# Allegro board buddy_lay_rev1.brd (continued)
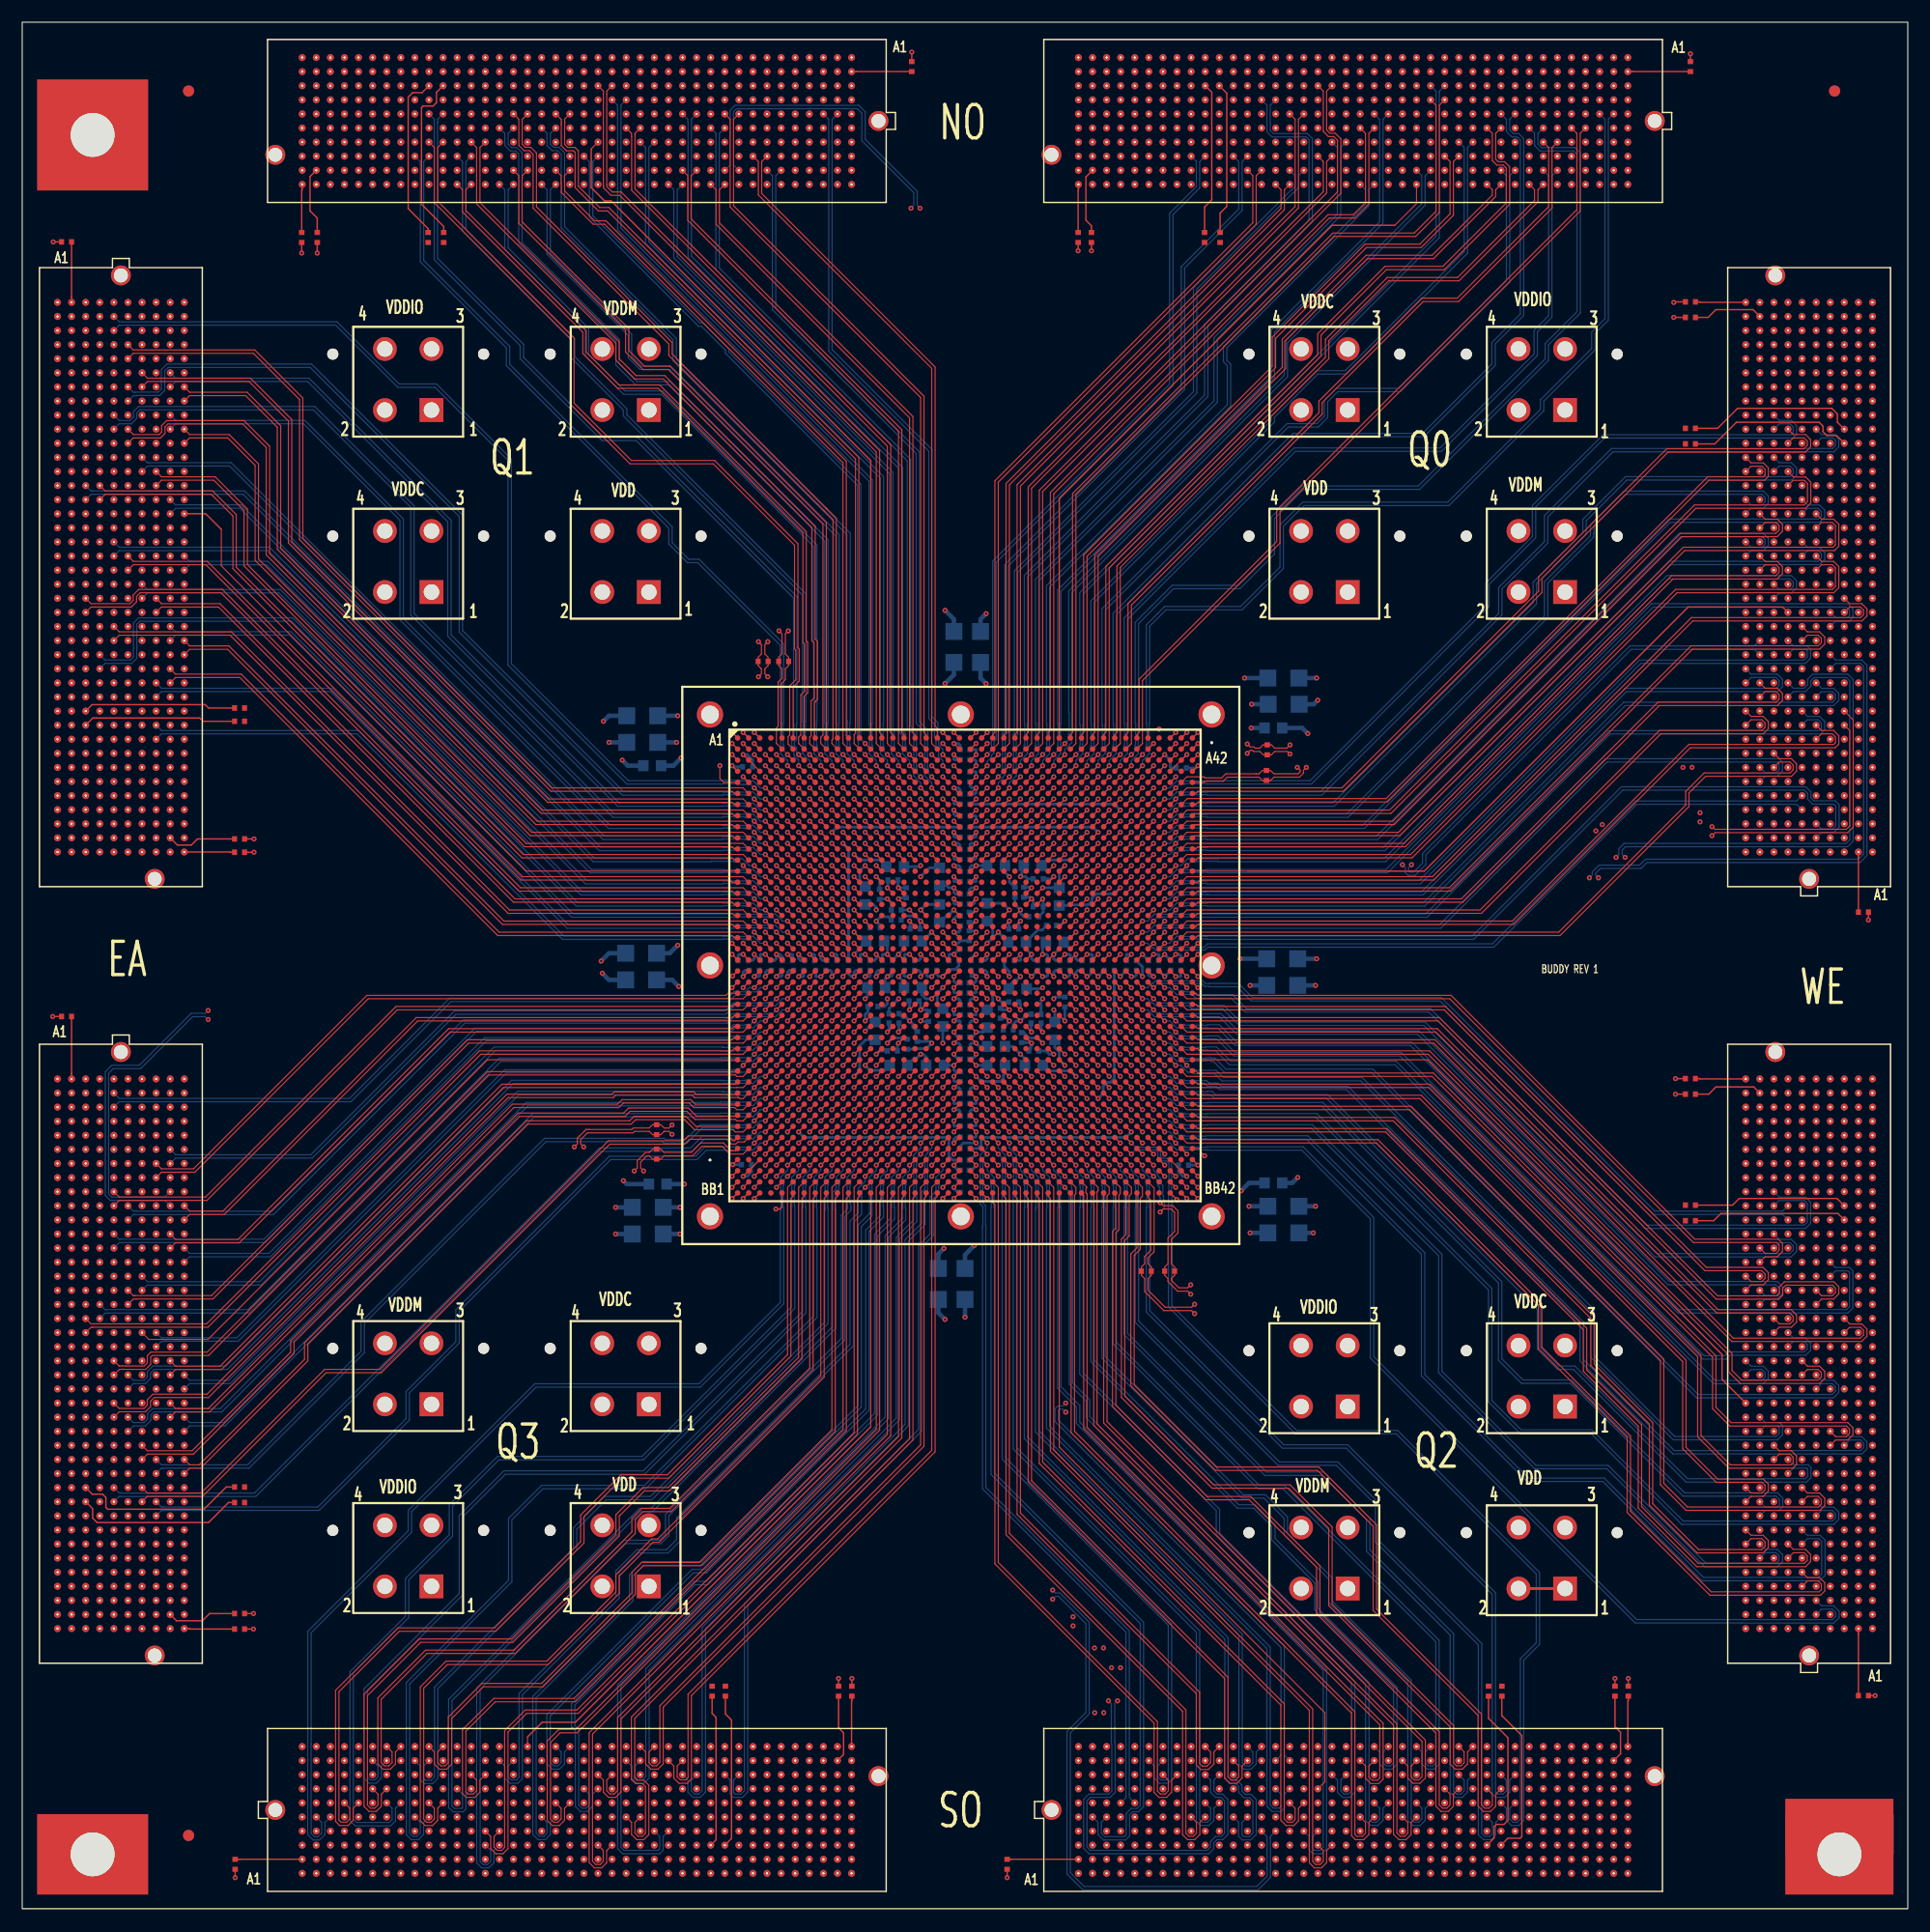
[diagram p0: board, top side]
## Routing (per net, layer and track width the routed paths; a pad name or vN(x,y) marks a point on that pad's centre or on a via; arc(x,y) is an arc through that point) (continued)
; J3.K36 154.91,139.68 ; J3.K36 155.38,139.2 ; J14.1 140.34,135.05 ; J14.1 139.1,136.29 ; J14.1 139.1,133.81 ; J14.1 137.86,135.05 ; J8.D13 7,129.99 ; J8.D13 6.52,129.52 ; J8.D13 7.47,129.52 ; J8.D13 7,129.04 ; J5.B18 117.29,4.46 ; J5.B18 116.82,3.98 ; J5.B18 116.82,4.93 ; J5.B18 116.34,4.46 ; 35.66,29.05 J19.1 ; J19.1 36.9,27.81 ; J19.1 36.9,30.29 ; J19.1 38.14,29.05 ; J4.A29 167.29,60.8 ; J4.A29 166.81,60.33 ; J4.A29 166.81,61.28 ; J4.A29 166.34,60.8 ; J4.B19 165.54,48.58 ; J4.B19 166.02,48.1 ; J4.B19 165.07,48.1 ; J4.B19 165.54,47.63 ; 55.25,163 J1.D16 ; J1.D16 55.72,163.48 ; J1.D16 55.72,162.53 ; J1.D16 56.2,163 ; 125.71,5.25 125.71,5.72 ; 125.71,5.72 126.18,5.72 ; 125.71,5.72 125.71,6.2 ; 125.71,5.72 125.23,5.72 ; 5.25,49.37 5.72,49.37 ; 5.72,49.37 5.72,48.9 ; 5.72,49.37 5.72,49.85 ; 5.72,49.37 6.2,49.37 ; 69.22,14.62 69.69,14.62 ; 69.69,14.62 69.69,14.14 ; 69.69,14.62 69.69,15.09 ; 69.69,14.62 70.17,14.62 ; 163.8,130.79 J3.C29 ; J3.C29 164.28,130.31 ; J3.C29 164.28,131.26 ; J3.C29 164.75,130.79 ; J2.J32 105.86,156.66 ; J2.J32 105.39,156.18 ; J2.J32 105.39,157.13 ; J2.J32 104.91,156.66 ; 144.28,3.19 J5.A40 ; J5.A40 144.76,3.66 ; J5.A40 144.76,2.71 ; J5.A40 145.23,3.19 ; J2.B38 97.77,166.02 ; J2.B38 97.77,165.07 ; J2.B38 97.29,165.54 ; J2.B38 98.24,165.54 ; 10.8,57.79 J7.G14 ; J7.G14 10.8,58.74 ; J7.G14 10.33,58.26 ; J7.G14 11.28,58.26 ; J8.B7 4.93,137.14 ; J8.B7 4.46,136.66 ; J8.B7 4.46,137.61 ; J8.B7 3.98,137.14 ; 3.98,32.86 4.46,32.86 ; 4.46,32.86 4.46,33.34 ; 4.46,32.86 4.93,32.86 ; 4.46,32.86 4.46,32.39 ; 157.93,112.53 J3.H15 ; J3.H15 157.45,113.01 ; J3.H15 157.93,113.48 ; J3.H15 158.4,113.01 ; 3.98,96.5 4.46,96.5 ; 4.46,96.5 4.93,96.5 ; 4.46,96.5 4.46,96.02 ; 4.46,96.5 4.46,96.97 ; 106.66,165.07 J2.B31 ; J2.B31 106.18,165.54 ; J2.B31 107.13,165.54 ; J2.B31 106.66,166.02 ; 109.2,163.8 J2.C29 ; J2.C29 109.67,164.28 ; J2.C29 109.2,164.75 ; J2.C29 108.72,164.28 ; 119.36,159.99 J2.F21 ; J2.F21 119.83,160.47 ; J2.F21 119.36,160.94 ; J2.F21 118.88,160.47 ; J7.E26 8.27,43.5 ; J7.E26 7.79,43.02 ; J7.E26 8.27,42.55 ; J7.E26 8.74,43.02 ; 100.31,10.8 100.78,10.8 ; 100.31,10.8 99.83,10.8 ; 100.31,10.8 100.31,10.33 ; 100.31,10.8 100.31,11.28 ; 11.6,45.56 J7.H24 ; J7.H24 12.55,45.56 ; J7.H24 12.07,46.04 ; J7.H24 12.07,45.09 ; J8.K9 14.62,135.07 ; J8.K9 14.14,134.6 ; J8.K9 15.09,134.6 ; J8.K9 14.62,134.12 ; 155.38,131.58 J3.K30 ; J3.K30 154.91,132.06 ; J3.K30 155.86,132.06 ; J3.K30 155.38,132.53 ; J3.D37 163.48,140.95 ; J3.D37 162.53,140.95 ; J3.D37 163,140.47 ; J3.D37 163,141.42 ; J8.K3 15.09,142.22 ; J8.K3 14.62,141.74 ; J8.K3 14.62,142.69 ; J8.K3 14.14,142.22 ; 157.93,135.39 J3.H33 ; J3.H33 158.4,135.87 ; J3.H33 157.45,135.87 ; J3.H33 157.93,136.34 ; 123.96,159.19 J2.G17 ; J2.G17 124.44,158.72 ; J2.G17 124.44,159.67 ; J2.G17 124.91,159.19 ; J1.B39 26.99,165.54 ; J1.B39 26.51,165.07 ; J1.B39 26.04,165.54 ; J1.B39 26.51,166.02 ; J23.2 116.54,28.85 ; J23.2 115.3,27.61 ; J23.2 114.06,28.85 ; J23.2 115.3,30.09 ; J1.C29 39.69,164.28 ; J1.C29 39.21,163.8 ; J1.C29 38.74,164.28 ; J1.C29 39.21,164.75 ; 161.74,68.42 162.21,68.42 ; 161.74,68.42 161.74,67.95 ; 161.74,68.42 161.26,68.42 ; 161.74,68.42 161.74,68.9 ; J3.A1 166.81,95.7 ; J3.A1 166.81,94.75 ; J3.A1 167.29,95.23 ; J3.A1 166.34,95.23 ; 5.72,69.69 5.72,70.17 ; 5.72,69.69 5.25,69.69 ; 5.72,69.69 6.2,69.69 ; 5.72,69.69 5.72,69.22 ; J7.B11 4.93,62.07 ; J7.B11 3.98,62.07 ; J7.B11 4.46,61.6 ; J7.B11 4.46,62.55 ; 10.8,101.1 J8.G35 ; J8.G35 11.28,101.58 ; J8.G35 10.8,102.05 ; J8.G35 10.33,101.58 ; J1.D19 51.91,163.48 ; J1.D19 52.39,163 ; J1.D19 51.91,162.53 ; J1.D19 51.44,163 ; J6.H24 54.45,12.55 ; J6.H24 53.98,12.07 ; J6.H24 54.93,12.07 ; J6.H24 54.45,11.6 ; 73.03,4.46 73.5,4.46 ; 73.5,4.46 73.98,4.46 ; 73.5,4.46 73.5,3.98 ; 73.5,4.46 73.5,4.93 ; 157.93,27.31 J4.H3 ; J4.H3 157.93,28.26 ; J4.H3 158.4,27.78 ; J4.H3 157.45,27.78 ; J12.1 56.5,119.89 ; J12.1 57.74,118.65 ; J12.1 56.5,117.41 ; J12.1 55.26,118.65 ; 133.66,28.85 J24.2 ; J24.2 134.9,30.09 ; J24.2 136.14,28.85 ; J24.2 134.9,27.61 ; J3.A16 167.29,114.28 ; J3.A16 166.81,113.8 ; J3.A16 166.81,114.75 ; J3.A16 166.34,114.28 ; J1.F30 37.94,160.94 ; J1.F30 37.94,159.99 ; J1.F30 37.47,160.47 ; J1.F30 38.42,160.47 ; 60.8,2.71 J6.A29 ; J6.A29 60.8,3.66 ; J6.A29 60.33,3.19 ; J6.A29 61.28,3.19 ; J4.B34 165.54,67.63 ; J4.B34 165.07,67.15 ; J4.B34 166.02,67.15 ; J4.B34 165.54,66.68 ; J3.C5 164.28,100.78 ; J3.C5 163.8,100.31 ; J3.C5 164.75,100.31 ; J3.C5 164.28,99.83 ; J3.H12 157.93,109.67 ; J3.H12 158.4,109.2 ; J3.H12 157.45,109.2 ; J3.H12 157.93,108.72 ; 4.46,107.45 J8.B30 ; J8.B30 3.98,107.93 ; J8.B30 4.93,107.93 ; J8.B30 4.46,108.4 ; J3.F18 160.47,117.29 ; J3.F18 159.99,116.82 ; J3.F18 160.47,116.34 ; J3.F18 160.94,116.82 ; J4.B23 165.54,53.66 ; J4.B23 165.54,52.71 ; J4.B23 165.07,53.18 ; J4.B23 166.02,53.18 ; 138.41,4.46 138.41,4.93 ; 138.41,4.46 138.41,3.98 ; 138.41,4.46 138.88,4.46 ; 138.41,4.46 137.93,4.46 ; 29.05,2.71 29.05,3.19 ; 29.05,3.19 29.05,3.66 ; 29.05,3.19 28.58,3.19 ; 29.05,3.19 29.53,3.19 ; J4.K30 155.38,62.55 ; J4.K30 155.38,61.6 ; J4.K30 154.91,62.07 ; J4.K30 155.86,62.07 ; 98.56,10.8 99.04,10.8 ; 99.04,10.8 99.04,10.33 ; 99.04,10.8 99.04,11.28 ; 99.04,10.8 99.51,10.8 ; 55.72,5.25 55.72,5.72 ; 55.72,5.72 55.72,6.2 ; 55.72,5.72 55.25,5.72 ; 55.72,5.72 56.2,5.72 ; 4.46,122.69 J8.B18 ; J8.B18 3.98,123.17 ; J8.B18 4.93,123.17 ; J8.B18 4.46,123.64 ; 109.2,3.19 109.67,3.19 ; 109.2,3.19 108.72,3.19 ; 109.2,3.19 109.2,2.71 ; 109.2,3.19 109.2,3.66 ; 124.44,3.19 124.91,3.19 ; 124.44,3.19 124.44,3.66 ; 124.44,3.19 123.96,3.19 ; 124.44,3.19 124.44,2.71 ; J2.A37 99.04,167.29 ; J2.A37 99.04,166.34 ; J2.A37 98.56,166.81 ; J2.A37 99.51,166.81 ; 111.74,8.27 112.21,8.27 ; 111.74,8.27 111.74,8.74 ; 111.74,8.27 111.26,8.27 ; 111.74,8.27 111.74,7.79 ; 97.29,9.54 J5.F3 ; J5.F3 97.77,9.06 ; J5.F3 97.77,10.01 ; J5.F3 98.24,9.54 ; 5.72,70.96 6.2,70.96 ; 5.72,70.96 5.72,71.44 ; 5.72,70.96 5.25,70.96 ; 5.72,70.96 5.72,70.49 ; 61.6,156.66 J1.J11 ; J1.J11 62.07,157.13 ; J1.J11 62.55,156.66 ; J1.J11 62.07,156.18 ; J2.A9 135.07,166.81 ; J2.A9 134.6,167.29 ; J2.A9 134.6,166.34 ; J2.A9 134.12,166.81 ; J1.J26 43.5,156.66 ; J1.J26 43.02,157.13 ; J1.J26 43.02,156.18 ; J1.J26 42.55,156.66 ; 143.49,6.52 143.49,7 ; 143.49,7 143.49,7.47 ; 143.49,7 143.01,7 ; 143.49,7 143.96,7 ; J1.K24 46.04,155.38 ; J1.K24 45.09,155.38 ; J1.K24 45.56,155.86 ; J1.K24 45.56,154.91 ; J3.H30 157.93,132.53 ; J3.H30 158.4,132.06 ; J3.H30 157.45,132.06 ; J3.H30 157.93,131.58 ; 163.8,114.28 J3.C16 ; J3.C16 164.28,114.75 ; J3.C16 164.28,113.8 ; J3.C16 164.75,114.28 ; 65.88,163.8 J1.C8 ; J1.C8 66.36,164.28 ; J1.C8 65.41,164.28 ; J1.C8 65.88,164.75 ; J4.J5 157.13,30.32 ; J4.J5 156.66,29.85 ; J4.J5 156.66,30.8 ; J4.J5 156.18,30.32 ; J4.K33 155.86,65.88 ; J4.K33 154.91,65.88 ; J4.K33 155.38,66.36 ; J4.K33 155.38,65.41 ; J4.F27 160.47,58.74 ; J4.F27 159.99,58.26 ; J4.F27 160.94,58.26 ; J4.F27 160.47,57.79 ; J6.D7 32.86,7.47 ; J6.D7 32.86,6.52 ; J6.D7 33.34,7 ; J6.D7 32.39,7 ; 26.04,163 J1.D39 ; J1.D39 26.51,162.53 ; J1.D39 26.99,163 ; J1.D39 26.51,163.48 ; 165.54,36.2 J4.B10 ; J4.B10 165.07,36.67 ; J4.B10 166.02,36.67 ; J4.B10 165.54,37.15 ; 73.5,12.07 73.98,12.07 ; 73.5,12.07 73.03,12.07 ; 73.5,12.07 73.5,11.6 ; 73.5,12.07 73.5,12.55 ; 160.47,69.22 J4.F36 ; J4.F36 159.99,69.69 ; J4.F36 160.47,70.17 ; J4.F36 160.94,69.69 ; 154.91,124.44 J3.K24 ; J3.K24 155.38,123.96 ; J3.K24 155.86,124.44 ; J3.K24 155.38,124.91 ; 67.95,13.35 J6.J35 ; J6.J35 68.42,13.82 ; J6.J35 68.9,13.35 ; J6.J35 68.42,12.87 ; 9.54,122.69 J8.F18 ; J8.F18 9.54,123.64 ; J8.F18 9.06,123.17 ; J8.F18 10.01,123.17 ; 4.46,31.12 4.46,31.59 ; 4.46,31.59 4.93,31.59 ; 4.46,31.59 4.46,32.07 ; 4.46,31.59 3.98,31.59 ; J8.A40 3.66,95.23 ; J8.A40 3.19,95.7 ; J8.A40 3.19,94.75 ; J8.A40 2.71,95.23 ; 156.66,45.09 J4.J17 ; J4.J17 156.66,46.04 ; J4.J17 156.18,45.56 ; J4.J17 157.13,45.56 ; J8.F9 10.01,134.6 ; J8.F9 9.06,134.6 ; J8.F9 9.54,135.07 ; J8.F9 9.54,134.12 ; 59.06,7 59.53,7 ; 59.53,7 59.53,7.47 ; 59.53,7 59.53,6.52 ; 59.53,7 60.01,7 ; 115.07,3.19 115.55,3.19 ; 115.55,3.19 115.55,3.66 ; 115.55,3.19 116.02,3.19 ; 115.55,3.19 115.55,2.71 ; 154.91,39.21 J4.K12 ; J4.K12 155.38,38.74 ; J4.K12 155.86,39.21 ; J4.K12 155.38,39.69 ; 5.72,130.31 5.72,130.79 ; 5.72,130.79 5.72,131.26 ; 5.72,130.79 5.25,130.79 ; 5.72,130.79 6.2,130.79 ; 12.87,69.69 13.35,69.69 ; 13.35,69.69 13.35,69.22 ; 13.35,69.69 13.35,70.17 ; 13.35,69.69 13.82,69.69 ; J7.D22 7,48.58 ; J7.D22 7,47.63 ; J7.D22 7.47,48.1 ; J7.D22 6.52,48.1 ; 161.74,134.6 161.74,135.07 ; 161.74,134.6 162.21,134.6 ; 161.74,134.6 161.74,134.12 ; 161.74,134.6 161.26,134.6 ; 163,27.31 J4.D3 ; J4.D3 162.53,27.78 ; J4.D3 163,28.26 ; J4.D3 163.48,27.78 ; J3.J26 157.13,126.98 ; J3.J26 156.66,127.45 ; J3.J26 156.66,126.5 ; J3.J26 156.18,126.98 ; J2.C28 110.47,164.75 ; J2.C28 110.47,163.8 ; J2.C28 109.99,164.28 ; J2.C28 110.94,164.28 ; J6.D6 31.59,7.47 ; J6.D6 31.59,6.52 ; J6.D6 32.07,7 ; J6.D6 31.12,7 ; 7.79,139.68 8.27,139.68 ; 8.27,139.68 8.74,139.68 ; 8.27,139.68 8.27,139.2 ; 8.27,139.68 8.27,140.15 ; J8.G23 10.8,117.29 ; J8.G23 11.28,116.82 ; J8.G23 10.33,116.82 ; J8.G23 10.8,116.34 ; J1.J1 75.25,156.66 ; J1.J1 74.77,156.18 ; J1.J1 74.77,157.13 ; J1.J1 74.3,156.66 ; 11.6,64.61 J7.H9 ; J7.H9 12.55,64.61 ; J7.H9 12.07,65.09 ; J7.H9 12.07,64.14 ; 109.2,5.72 109.2,6.2 ; 109.2,5.72 109.2,5.25 ; 109.2,5.72 108.72,5.72 ; 109.2,5.72 109.67,5.72 ; 164.28,125.23 J3.C25 ; J3.C25 163.8,125.71 ; J3.C25 164.28,126.18 ; J3.C25 164.75,125.71 ; 63.34,3.98 63.34,4.46 ; 63.34,4.46 62.87,4.46 ; 63.34,4.46 63.34,4.93 ; 63.34,4.46 63.82,4.46 ; 143.01,165.54 J2.B2 ; J2.B2 143.49,166.02 ; J2.B2 143.96,165.54 ; J2.B2 143.49,165.07 ; J7.J38 13.35,28.26 ; J7.J38 13.35,27.31 ; J7.J38 12.87,27.78 ; J7.J38 13.82,27.78 ; 161.74,74.77 162.21,74.77 ; 161.74,74.77 161.74,74.3 ; 161.74,74.77 161.74,75.25 ; 161.74,74.77 161.26,74.77 ; 158.72,107.93 J3.G11 ; J3.G11 159.19,108.4 ; J3.G11 159.19,107.45 ; J3.G11 159.67,107.93 ; 166.81,65.41 J4.A33 ; J4.A33 166.81,66.36 ; J4.A33 167.29,65.88 ; J4.A33 166.34,65.88 ; J4.G38 159.19,72.71 ; J4.G38 159.19,71.76 ; J4.G38 159.67,72.23 ; J4.G38 158.72,72.23 ; 97.77,158.72 J2.G38 ; J2.G38 97.29,159.19 ; J2.G38 98.24,159.19 ; J2.G38 97.77,159.67 ; J4.D37 163.48,70.96 ; J4.D37 163,71.44 ; J4.D37 162.53,70.96 ; J4.D37 163,70.49 ; J3.F24 160.94,124.44 ; J3.F24 159.99,124.44 ; J3.F24 160.47,124.91 ; J3.F24 160.47,123.96 ; 140.47,3.19 J5.A37 ; J5.A37 140.95,2.71 ; J5.A37 141.42,3.19 ; J5.A37 140.95,3.66 ; J5.K15 113.01,15.09 ; J5.K15 112.53,14.62 ; J5.K15 113.01,14.14 ; J5.K15 113.48,14.62 ; J2.A21 119.36,167.29 ; J2.A21 119.83,166.81 ; J2.A21 118.88,166.81 ; J2.A21 119.36,166.34 ; 5.72,120.15 5.72,120.63 ; 5.72,120.63 5.72,121.1 ; 5.72,120.63 5.25,120.63 ; 5.72,120.63 6.2,120.63 ; 119.5,117.41 J15.1 ; J15.1 118.26,118.65 ; J15.1 119.5,119.89 ; J15.1 120.74,118.65 ; 155.38,27.31 J4.K3 ; J4.K3 155.86,27.78 ; J4.K3 155.38,28.26 ; J4.K3 154.91,27.78 ; J2.F24 115.55,160.94 ; J2.F24 116.02,160.47 ; J2.F24 115.07,160.47 ; J2.F24 115.55,159.99 ; J5.G20 119.36,11.28 ; J5.G20 118.88,10.8 ; J5.G20 119.36,10.33 ; J5.G20 119.83,10.8 ; 5.72,134.6 5.72,135.07 ; 5.72,134.6 6.2,134.6 ; 5.72,134.6 5.72,134.12 ; 5.72,134.6 5.25,134.6 ; 31.59,158.72 J1.G35 ; J1.G35 32.07,159.19 ; J1.G35 31.59,159.67 ; J1.G35 31.12,159.19 ; 118.26,135.05 J13.1 ; J13.1 120.74,135.05 ; J13.1 119.5,136.29 ; J13.1 119.5,133.81 ; 5.72,109.99 5.72,110.47 ; 5.72,110.47 5.25,110.47 ; 5.72,110.47 5.72,110.94 ; 5.72,110.47 6.2,110.47 ; 8.27,144.76 8.74,144.76 ; 8.27,144.76 8.27,145.23 ; 8.27,144.76 7.79,144.76 ; 8.27,144.76 8.27,144.28 ; 162.53,59.53 J4.D28 ; J4.D28 163,59.06 ; J4.D28 163.48,59.53 ; J4.D28 163,60.01 ; 14.62,30.32 14.62,30.8 ; 14.62,30.32 14.62,29.85 ; 14.62,30.32 15.09,30.32 ; 14.62,30.32 14.14,30.32 ; 73.03,160.47 J1.F2 ; J1.F2 73.5,160.94 ; J1.F2 73.98,160.47 ; J1.F2 73.5,159.99 ; 55.25,166.81 J1.A16 ; J1.A16 56.2,166.81 ; J1.A16 55.72,167.29 ; J1.A16 55.72,166.34 ; 142.22,12.87 J5.J38 ; J5.J38 142.69,13.35 ; J5.J38 141.74,13.35 ; J5.J38 142.22,13.82 ; 159.19,141.74 J3.G38 ; J3.G38 159.19,142.69 ; J3.G38 159.67,142.22 ; J3.G38 158.72,142.22 ; 115.07,10.8 J5.G17 ; J5.G17 116.02,10.8 ; J5.G17 115.55,10.33 ; J5.G17 115.55,11.28 ; 161.74,60.8 161.74,61.28 ; 161.74,60.8 162.21,60.8 ; 161.74,60.8 161.26,60.8 ; 161.74,60.8 161.74,60.33 ; 154.91,128.25 J3.K27 ; J3.K27 155.38,128.72 ; J3.K27 155.86,128.25 ; J3.K27 155.38,127.77 ; J1.J40 25.24,157.13 ; J1.J40 25.72,156.66 ; J1.J40 25.24,156.18 ; J1.J40 24.77,156.66 ; J1.J5 69.69,157.13 ; J1.J5 70.17,156.66 ; J1.J5 69.22,156.66 ; J1.J5 69.69,156.18 ; 166.34,39.21 J4.A12 ; J4.A12 166.81,39.69 ; J4.A12 167.29,39.21 ; J4.A12 166.81,38.74 ; J1.K27 42.23,155.38 ; J1.K27 41.28,155.38 ; J1.K27 41.75,154.91 ; J1.K27 41.75,155.86 ; 5.72,43.82 5.72,44.29 ; 5.72,44.29 5.25,44.29 ; 5.72,44.29 5.72,44.77 ; 5.72,44.29 6.2,44.29 ; J1.A32 35.4,167.29 ; J1.A32 34.93,166.81 ; J1.A32 35.4,166.34 ; J1.A32 35.88,166.81 ; J5.C38 142.69,5.72 ; J5.C38 142.22,5.25 ; J5.C38 142.22,6.2 ; J5.C38 141.74,5.72 ; 95.23,10.8 95.23,11.28 ; 95.23,10.8 95.23,10.33 ; 95.23,10.8 94.75,10.8 ; 95.23,10.8 95.7,10.8 ; J2.C17 124.91,164.28 ; J2.C17 123.96,164.28 ; J2.C17 124.44,164.75 ; J2.C17 124.44,163.8 ; 37.94,7.79 37.94,8.27 ; 37.94,8.27 37.94,8.74 ; 37.94,8.27 38.42,8.27 ; 37.94,8.27 37.47,8.27 ; J2.A4 140.95,167.29 ; J2.A4 141.42,166.81 ; J2.A4 140.47,166.81 ; J2.A4 140.95,166.34 ; 3.19,144.28 3.19,144.76 ; 3.19,144.76 3.19,145.23 ; 3.19,144.76 3.66,144.76 ; 3.19,144.76 2.71,144.76 ; J3.F9 160.94,105.39 ; J3.F9 160.47,104.91 ; J3.F9 160.47,105.86 ; J3.F9 159.99,105.39 ; 104.12,12.87 104.12,13.35 ; 104.12,13.35 104.59,13.35 ; 104.12,13.35 103.64,13.35 ; 104.12,13.35 104.12,13.82 ; 12.87,97.77 J8.J38 ; J8.J38 13.35,97.29 ; J8.J38 13.35,98.24 ; J8.J38 13.82,97.77 ; J1.A13 60.01,166.81 ; J1.A13 59.53,166.34 ; J1.A13 59.06,166.81 ; J1.A13 59.53,167.29 ; 4.46,97.77 4.46,98.24 ; 4.46,97.77 3.98,97.77 ; 4.46,97.77 4.93,97.77 ; 4.46,97.77 4.46,97.29 ; J3.D28 163,129.99 ; J3.D28 162.53,129.52 ; J3.D28 163.48,129.52 ; J3.D28 163,129.04 ; J23.1 119.5,30.09 ; J23.1 119.5,27.61 ; J23.1 118.26,28.85 ; J23.1 120.74,28.85 ; 134.6,163.8 J2.C9 ; J2.C9 134.12,164.28 ; J2.C9 134.6,164.75 ; J2.C9 135.07,164.28 ; J1.B23 47.31,165.54 ; J1.B23 46.36,165.54 ; J1.B23 46.83,166.02 ; J1.B23 46.83,165.07 ; J5.C40 144.76,6.2 ; J5.C40 145.23,5.72 ; J5.C40 144.28,5.72 ; J5.C40 144.76,5.25 ; 69.22,5.72 J6.C36 ; J6.C36 69.69,6.2 ; J6.C36 69.69,5.25 ; J6.C36 70.17,5.72 ; J8.F6 9.54,138.88 ; J8.F6 9.06,138.41 ; J8.F6 9.54,137.93 ; J8.F6 10.01,138.41 ; 39.21,2.71 39.21,3.19 ; 39.21,3.19 38.74,3.19 ; 39.21,3.19 39.21,3.66 ; 39.21,3.19 39.69,3.19 ; J1.G4 70.96,159.67 ; J1.G4 70.49,159.19 ; J1.G4 70.96,158.72 ; J1.G4 71.44,159.19 ; J3.B11 165.54,108.4 ; J3.B11 166.02,107.93 ; J3.B11 165.07,107.93 ; J3.B11 165.54,107.45 ; 104.91,166.81 J2.A32 ; J2.A32 105.39,167.29 ; J2.A32 105.39,166.34 ; J2.A32 105.86,166.81 ; 161.74,25.24 162.21,25.24 ; 161.74,25.24 161.26,25.24 ; 161.74,25.24 161.74,24.77 ; 161.74,25.24 161.74,25.72 ; 10.8,34.93 J7.G32 ; J7.G32 11.28,35.4 ; J7.G32 10.33,35.4 ; J7.G32 10.8,35.88 ; 166.81,144.28 J3.A40 ; J3.A40 167.29,144.76 ; J3.A40 166.34,144.76 ; J3.A40 166.81,145.23 ; 70.49,164.28 J1.C4 ; J1.C4 70.96,164.75 ; J1.C4 71.44,164.28 ; J1.C4 70.96,163.8 ; 139.68,11.6 J5.H36 ; J5.H36 139.68,12.55 ; J5.H36 140.15,12.07 ; J5.H36 139.2,12.07 ; 161.26,144.76 161.74,144.76 ; 161.74,144.76 161.74,144.28 ; 161.74,144.76 161.74,145.23 ; 161.74,144.76 162.21,144.76 ; 68.42,4.46 68.42,4.93 ; 68.42,4.46 68.9,4.46 ; 68.42,4.46 67.95,4.46 ; 68.42,4.46 68.42,3.98 ; 3.19,74.77 3.19,75.25 ; 3.19,74.77 3.19,74.3 ; 3.19,74.77 2.71,74.77 ; 3.19,74.77 3.66,74.77 ; 5.72,129.52 6.2,129.52 ; 5.72,129.52 5.72,129.99 ; 5.72,129.52 5.72,129.04 ; 5.72,129.52 5.25,129.52 ; 154.91,143.49 J3.K39 ; J3.K39 155.38,143.96 ; J3.K39 155.86,143.49 ; J3.K39 155.38,143.01 ; 8.27,70.96 8.74,70.96 ; 8.27,70.96 8.27,70.49 ; 8.27,70.96 8.27,71.44 ; 8.27,70.96 7.79,70.96 ; 43.02,158.72 J1.G26 ; J1.G26 42.55,159.19 ; J1.G26 43.5,159.19 ; J1.G26 43.02,159.67 ; 10.8,112.53 J8.G26 ; J8.G26 10.8,113.48 ; J8.G26 10.33,113.01 ; J8.G26 11.28,113.01 ; J1.H9 64.61,158.4 ; J1.H9 64.14,157.93 ; J1.H9 65.09,157.93 ; J1.H9 64.61,157.45 ; 69.69,9.06 69.69,9.54 ; 69.69,9.54 70.17,9.54 ; 69.69,9.54 69.22,9.54 ; 69.69,9.54 69.69,10.01 ; 161.74,48.9 161.74,49.37 ; 161.74,49.37 162.21,49.37 ; 161.74,49.37 161.74,49.85 ; 161.74,49.37 161.26,49.37 ; 139.68,5.25 J5.C36 ; J5.C36 139.2,5.72 ; J5.C36 139.68,6.2 ; J5.C36 140.15,5.72 ; 65.88,166.34 J1.A8 ; J1.A8 66.36,166.81 ; J1.A8 65.41,166.81 ; J1.A8 65.88,167.29 ; 43.02,161.26 43.02,161.74 ; 43.02,161.74 43.5,161.74 ; 43.02,161.74 43.02,162.21 ; 43.02,161.74 42.55,161.74 ; 40.01,7 J6.D13 ; J6.D13 40.48,6.52 ; J6.D13 40.48,7.47 ; J6.D13 40.96,7 ; 27.78,11.6 J6.H3 ; J6.H3 27.31,12.07 ; J6.H3 27.78,12.55 ; J6.H3 28.26,12.07 ; J21.1 120.74,45.25 ; J21.1 119.5,44.01 ; J21.1 119.5,46.49 ; J21.1 118.26,45.25 ; J8.E38 8.74,97.77 ; J8.E38 8.27,97.29 ; J8.E38 8.27,98.24 ; J8.E38 7.79,97.77 ; J1.K15 56.99,155.86 ; J1.K15 57.47,155.38 ; J1.K15 56.99,154.91 ; J1.K15 56.52,155.38 ; J1.G20 51.12,159.19 ; J1.G20 50.17,159.19 ; J1.G20 50.64,158.72 ; J1.G20 50.64,159.67 ; 8.27,65.88 8.27,66.36 ; 8.27,65.88 7.79,65.88 ; 8.27,65.88 8.27,65.41 ; 8.27,65.88 8.74,65.88 ; 104.12,163.8 J2.C33 ; J2.C33 104.59,164.28 ; J2.C33 104.12,164.75 ; J2.C33 103.64,164.28 ; J8.B15 4.93,126.98 ; J8.B15 4.46,126.5 ; J8.B15 4.46,127.45 ; J8.B15 3.98,126.98 ; 33.66,155.38 J1.K33 ; J1.K33 34.61,155.38 ; J1.K33 34.13,154.91 ; J1.K33 34.13,155.86 ; 12.87,46.83 J7.J23 ; J7.J23 13.35,46.36 ; J7.J23 13.35,47.31 ; J7.J23 13.82,46.83 ; 156.18,25.24 J4.J1 ; J4.J1 157.13,25.24 ; J4.J1 156.66,24.77 ; J4.J1 156.66,25.72 ; 58.26,158.72 J1.G14 ; J1.G14 58.74,159.19 ; J1.G14 57.79,159.19 ; J1.G14 58.26,159.67 ; J1.G40 25.24,159.67 ; J1.G40 25.24,158.72 ; J1.G40 24.77,159.19 ; J1.G40 25.72,159.19 ; 38.74,161.74 39.21,161.74 ; 39.21,161.74 39.69,161.74 ; 39.21,161.74 39.21,162.21 ; 39.21,161.74 39.21,161.26 ; 26.04,155.38 J1.K39 ; J1.K39 26.51,155.86 ; J1.K39 26.51,154.91 ; J1.K39 26.99,155.38 ; 33.66,10.8 34.13,10.8 ; 34.13,10.8 34.13,10.33 ; 34.13,10.8 34.61,10.8 ; 34.13,10.8 34.13,11.28 ; J5.B22 121.9,4.93 ; J5.B22 122.37,4.46 ; J5.B22 121.9,3.98 ; J5.B22 121.42,4.46 ; 96.5,9.06 J5.F2 ; J5.F2 96.5,10.01 ; J5.F2 96.97,9.54 ; J5.F2 96.02,9.54 ; J1.B11 62.07,166.02 ; J1.B11 62.55,165.54 ; J1.B11 61.6,165.54 ; J1.B11 62.07,165.07 ; 163,113.8 J3.D16 ; J3.D16 162.53,114.28 ; J3.D16 163,114.75 ; J3.D16 163.48,114.28 ; 115.55,166.34 J2.A24 ; J2.A24 116.02,166.81 ; J2.A24 115.07,166.81 ; J2.A24 115.55,167.29 ; J7.E23 8.27,47.31 ; J7.E23 8.27,46.36 ; J7.E23 7.79,46.83 ; J7.E23 8.74,46.83 ; 159.19,144.28 J3.G40 ; J3.G40 159.19,145.23 ; J3.G40 159.67,144.76 ; J3.G40 158.72,144.76 ; 13.35,135.87 13.82,135.87 ; 13.35,135.87 12.87,135.87 ; 13.35,135.87 13.35,135.39 ; 13.35,135.87 13.35,136.34 ; J6.D10 36.67,7.47 ; J6.D10 36.67,6.52 ; J6.D10 36.2,7 ; J6.D10 37.15,7 ; J6.E26 56.99,8.74 ; J6.E26 56.99,7.79 ; J6.E26 56.52,8.27 ; J6.E26 57.47,8.27 ; 64.14,13.35 J6.J32 ; J6.J32 64.61,12.87 ; J6.J32 64.61,13.82 ; J6.J32 65.09,13.35 ; 3.19,59.06 3.19,59.53 ; 3.19,59.53 2.71,59.53 ; 3.19,59.53 3.66,59.53 ; 3.19,59.53 3.19,60.01 ; J4.G11 159.67,37.94 ; J4.G11 159.19,37.47 ; J4.G11 158.72,37.94 ; J4.G11 159.19,38.42 ; 34.13,13.35 34.61,13.35 ; 34.13,13.35 34.13,12.87 ; 34.13,13.35 33.66,13.35 ; 34.13,13.35 34.13,13.82 ; 14.14,138.41 J8.K6 ; J8.K6 14.62,137.93 ; J8.K6 14.62,138.88 ; J8.K6 15.09,138.41 ; 10.33,25.24 J7.G40 ; J7.G40 10.8,25.72 ; J7.G40 11.28,25.24 ; J7.G40 10.8,24.77 ; 157.93,50.17 J4.H21 ; J4.H21 157.45,50.64 ; J4.H21 157.93,51.12 ; J4.H21 158.4,50.64 ; 48.9,166.81 J1.A21 ; J1.A21 49.85,166.81 ; J1.A21 49.37,166.34 ; J1.A21 49.37,167.29 ; J2.H12 131.26,157.93 ; J2.H12 130.79,158.4 ; J2.H12 130.79,157.45 ; J2.H12 130.31,157.93 ; 104.12,157.45 J2.H33 ; J2.H33 103.64,157.93 ; J2.H33 104.12,158.4 ; J2.H33 104.59,157.93 ; 143.49,11.6 143.49,12.07 ; 143.49,12.07 143.49,12.55 ; 143.49,12.07 143.96,12.07 ; 143.49,12.07 143.01,12.07 